# KiCad board rabbit_mask_capacitors.kicad_pcb (continued)
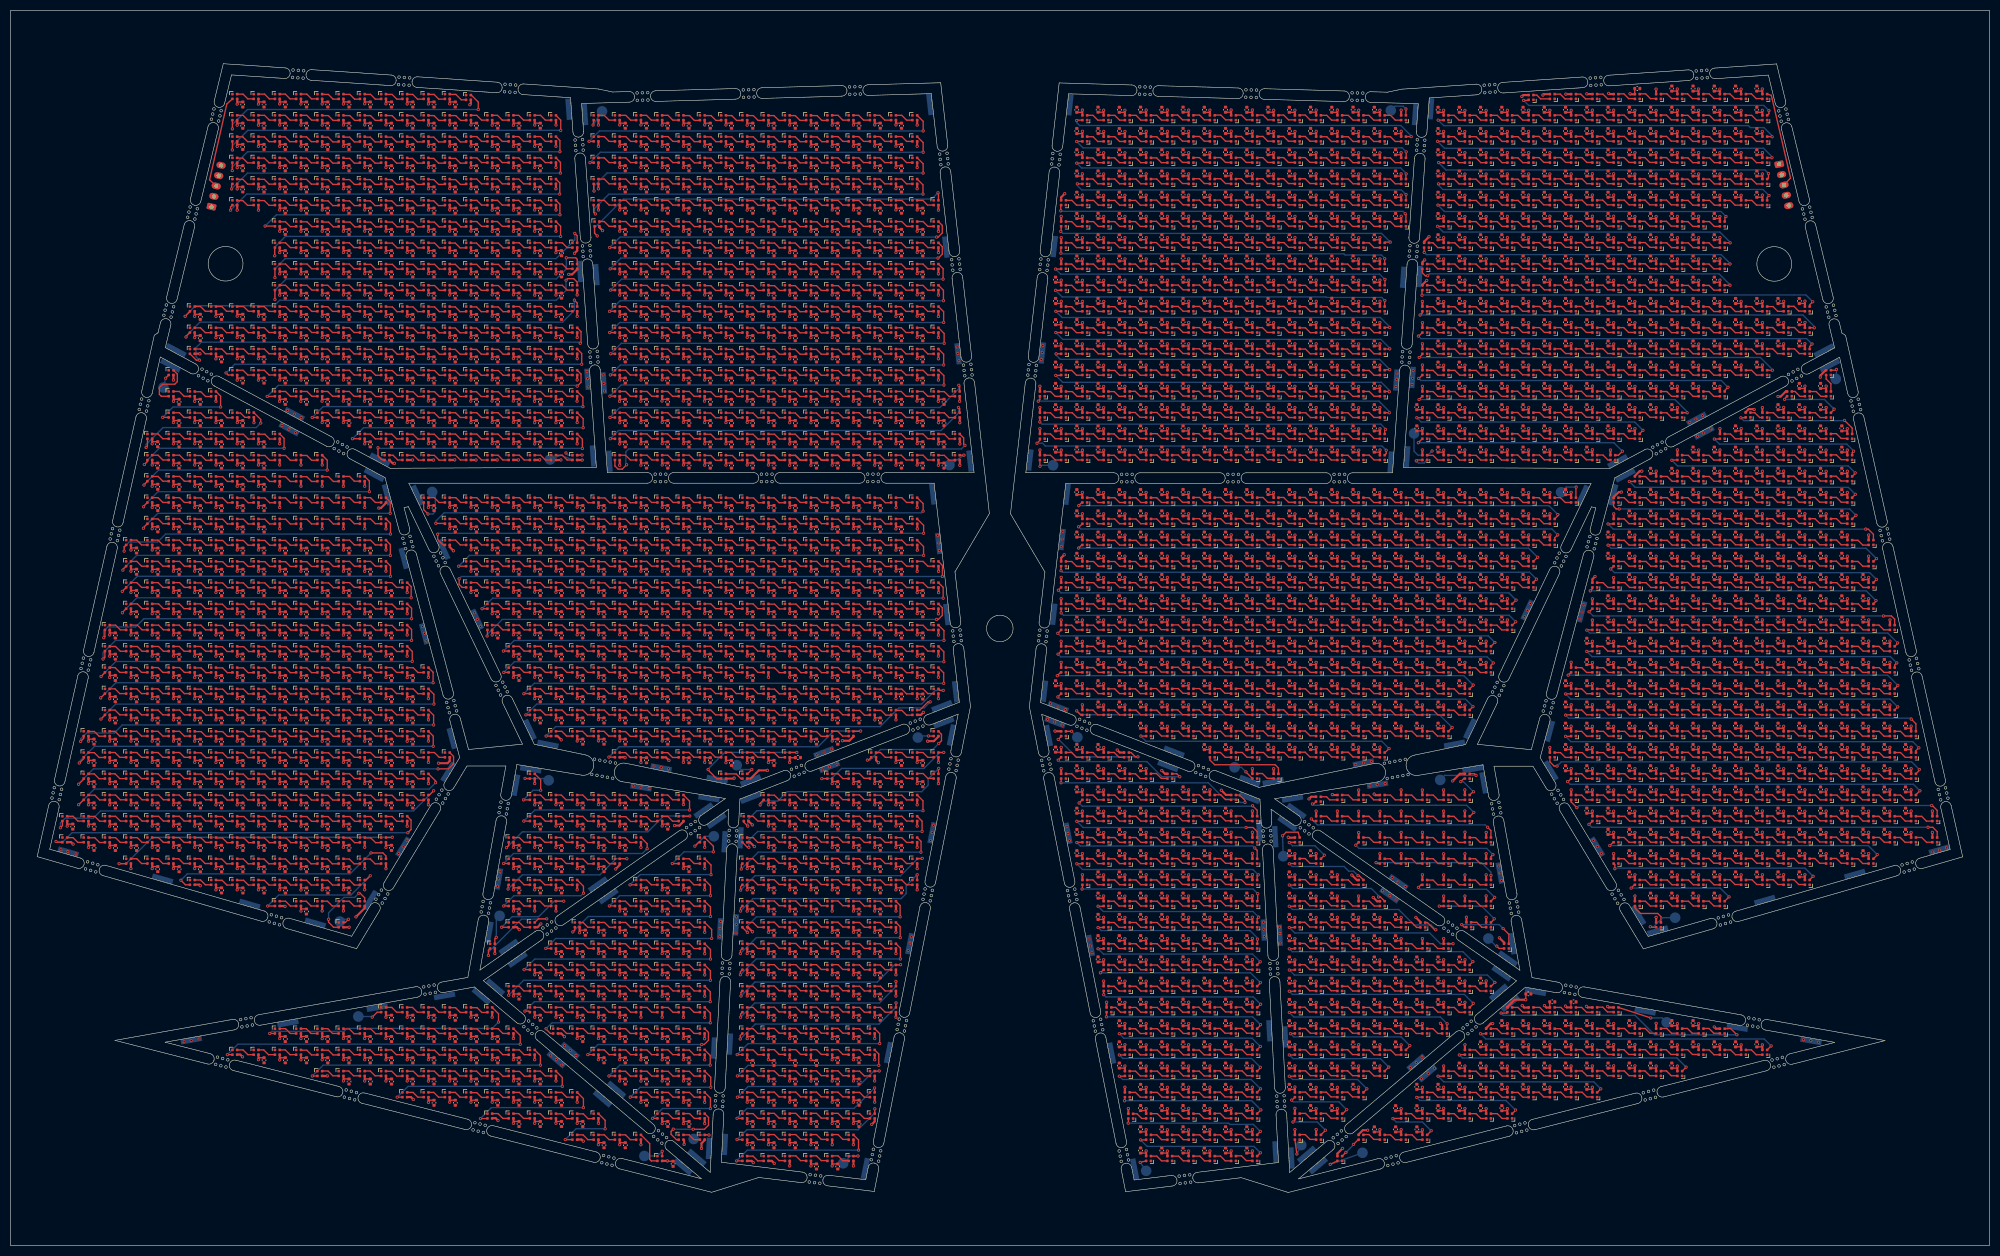
[diagram p0: board, top side]
## Routing (per net, layer and track width the routed paths; a pad name or vN(x,y) marks a point on that pad's centre or on a via; arc(x,y) is an arc through that point) (continued)
  Bottom w0.25: v1(84.42,125.54) 84.86,125.97 v1(175.4,125.97)
Net-(D737-DOUT): length 3.5
  Top w0.25: D737.3 23.75,124.81 24.65,123.91 D738.1
Net-(D738-DOUT): length 3.5
  Top w0.25: D739.1 28.65,123.91 27.75,124.81 D738.3
Net-(D739-DOUT): length 3.5
  Top w0.25: 33.8,123.91 32.7,123.91 31.8,124.81 30.7,124.81
Net-(D740-DOUT): length 3.5
  Top w0.25: 34.75,124.76 35.85,124.76 36.75,123.86 37.85,123.86
Net-(D741-DOUT): length 3.5
  Top w0.25: 41.9,123.86 40.8,123.86 39.9,124.76 38.8,124.76
Net-(D742-DOUT): length 3.5
  Top w0.25: 42.7,124.76 43.8,124.76 44.7,123.86 45.8,123.86
Net-(D743-DOUT): length 3.5
  Top w0.25: 49.85,123.86 48.75,123.86 47.85,124.76 46.75,124.76
Net-(D744-DOUT): length 3.5
  Top w0.25: 53.75,123.86 52.65,123.86 51.75,124.76 50.65,124.76
Net-(D745-DOUT): length 3.5
  Top w0.25: 54.65,124.76 55.75,124.76 56.65,123.86 57.75,123.86
Net-(D746-DOUT): length 3.5
  Top w0.25: 58.75,124.76 59.85,124.76 60.75,123.86 61.85,123.86
Net-(D747-DOUT): length 3.5
  Top w0.25: 62.7,124.81 63.8,124.81 64.7,123.91 65.8,123.91
Net-(D748-DOUT): length 3.5
  Top w0.25: D749.1 68.65,123.91 67.75,124.81 D748.3
Net-(D749-DOUT): length 3.5
  Top w0.25: D750.1 72.65,123.91 71.75,124.81 D749.3
Net-(D750-DOUT): length 59.8
  Top w0.25: D774.1 21.05,119.21 v1(21.05,119.14) ; D750.3 75.4,124.06 v1(75.4,121.96)
  Bottom w0.25: v1(21.05,119.14) 21.05,119.24 23.78,121.96 v1(75.4,121.96)
Net-(D751-DOUT): length 3.5
  Top w0.25: D751.3 87.75,124.81 88.65,123.91 D752.1
Net-(D752-DOUT): length 3.5
  Top w0.25: D752.3 91.75,124.81 92.65,123.91 D753.1
Net-(D753-DOUT): length 3.5
  Top w0.25: 94.7,124.81 95.8,124.81 96.7,123.91 97.8,123.91
Net-(D754-DOUT): length 3.5
  Top w0.25: 98.6,124.81 99.7,124.81 100.6,123.91 101.7,123.91
Net-(D755-DOUT): length 3.5
  Top w0.25: D756.1 104.65,123.91 103.75,124.81 D755.3
Net-(D756-DOUT): length 3.5
  Top w0.25: 106.7,124.76 107.8,124.76 108.7,123.86 109.8,123.86
Net-(D757-DOUT): length 3.5
  Top w0.25: 110.75,124.76 111.85,124.76 112.75,123.86 113.85,123.86
Net-(D758-DOUT): length 3.5
  Top w0.25: 117.75,123.86 116.65,123.86 115.75,124.76 114.65,124.76
Net-(D759-DOUT): length 3.5
  Top w0.25: D759.3 119.75,124.81 120.65,123.91 D760.1
Net-(D760-DOUT): length 3.5
  Top w0.25: 122.7,124.81 123.8,124.81 124.7,123.91 125.8,123.91
Net-(D761-DOUT): length 3.5
  Top w0.25: 126.6,124.81 127.7,124.81 128.6,123.91 129.7,123.91
Net-(D762-DOUT): length 3.5
  Top w0.25: D763.1 132.65,123.91 131.75,124.81 D762.3
Net-(D763-DOUT): length 3.5
  Top w0.25: 134.7,124.76 135.8,124.76 136.7,123.86 137.8,123.86
Net-(D764-DOUT): length 3.5
  Top w0.25: 138.75,124.76 139.85,124.76 140.75,123.86 141.85,123.86
Net-(D765-DOUT): length 3.5
  Top w0.25: 145.75,123.86 144.65,123.86 143.75,124.76 142.65,124.76
Net-(D766-DOUT): length 3.5
  Top w0.25: D767.1 148.65,123.91 147.75,124.81 D766.3
Net-(D767-DOUT): length 3.5
  Top w0.25: D767.3 151.75,124.81 152.65,123.91 D768.1
Net-(D768-DOUT): length 3.5
  Top w0.25: 154.7,124.76 155.8,124.76 156.7,123.86 157.8,123.86
Net-(D769-DOUT): length 3.5
  Top w0.25: 161.85,123.86 160.75,123.86 159.85,124.76 158.75,124.76
Net-(D770-DOUT): length 3.5
  Top w0.25: 162.65,124.76 163.75,124.76 164.65,123.86 165.75,123.86
Net-(D771-DOUT): length 3.5
  Top w0.25: 169.75,123.89 168.65,123.89 167.75,124.79 166.65,124.79
Net-(D772-DOUT): length 3.5
  Top w0.25: 170.65,124.79 171.75,124.79 172.65,123.89 173.75,123.89
Net-(D773-DOUT): length 91.9
  Top w0.25: v1(88.74,119.9) 89.74,119.9 D788.1 ; D773.3 175.54,123.92 v1(175.54,121.88)
  Bottom w0.25: v1(88.74,119.9) 90.72,121.88 v1(175.54,121.88)
Net-(D774-DOUT): length 3.5
  Top w0.25: 22.75,120.81 23.85,120.81 24.75,119.91 25.85,119.91
Net-(D775-DOUT): length 3.5
  Top w0.25: 26.75,120.81 27.85,120.81 28.75,119.91 29.85,119.91
Net-(D776-DOUT): length 3.5
  Top w0.25: D776.3 31.75,120.81 32.65,119.91 D777.1
Net-(D777-DOUT): length 3.5
  Top w0.25: 37.8,119.91 36.7,119.91 35.8,120.81 34.7,120.81
Net-(D778-DOUT): length 3.5
  Top w0.25: 41.85,119.86 40.75,119.86 39.85,120.76 38.75,120.76
Net-(D779-DOUT): length 3.5
  Top w0.25: 45.9,119.86 44.8,119.86 43.9,120.76 42.8,120.76
Net-(D780-DOUT): length 3.5
  Top w0.25: 46.7,120.76 47.8,120.76 48.7,119.86 49.8,119.86
Net-(D781-DOUT): length 3.5
  Top w0.25: 50.75,120.76 51.85,120.76 52.75,119.86 53.85,119.86
Net-(D782-DOUT): length 3.5
  Top w0.25: 57.75,119.86 56.65,119.86 55.75,120.76 54.65,120.76
Net-(D783-DOUT): length 3.5
  Top w0.25: 58.65,120.76 59.75,120.76 60.65,119.86 61.75,119.86
Net-(D784-DOUT): length 3.5
  Top w0.25: 65.85,119.86 64.75,119.86 63.85,120.76 62.75,120.76
Net-(D785-DOUT): length 3.5
  Top w0.25: 66.7,120.76 67.8,120.76 68.7,119.86 69.8,119.86
Net-(D786-DOUT): length 3.5
  Top w0.25: 73.8,119.86 72.7,119.86 71.8,120.76 70.7,120.76
Net-(D787-DOUT): length 64.9
  Top w0.25: D810.1 17.75,114.66 v1(17.53,114.44) ; D787.3 75.48,119.99 v1(75.48,118.01)
  Bottom w0.25: v1(75.48,118.01) 25.07,118.01 23.53,116.46 18.28,116.46 17.53,115.71 v1(17.53,114.44)
Net-(D788-DOUT): length 3.5
  Top w0.25: D788.3 91.75,120.81 92.65,119.91 D789.1
Net-(D789-DOUT): length 3.5
  Top w0.25: D790.1 96.65,119.91 95.75,120.81 D789.3
Net-(D790-DOUT): length 3.5
  Top w0.25: D791.1 100.65,119.91 99.75,120.81 D790.3
Net-(D791-DOUT): length 3.5
  Top w0.25: 105.8,119.91 104.7,119.91 103.8,120.81 102.7,120.81
Net-(D792-DOUT): length 3.5
  Top w0.25: 106.6,120.81 107.7,120.81 108.6,119.91 109.7,119.91
Net-(D793-DOUT): length 3.5
  Top w0.25: D794.1 112.65,119.91 111.75,120.81 D793.3
Net-(D794-DOUT): length 3.5
  Top w0.25: 117.8,119.86 116.7,119.86 115.8,120.76 114.7,120.76
Net-(D795-DOUT): length 3.5
  Top w0.25: 121.85,119.86 120.75,119.86 119.85,120.76 118.75,120.76
Net-(D796-DOUT): length 3.5
  Top w0.25: 125.75,119.86 124.65,119.86 123.75,120.76 122.65,120.76
Net-(D797-DOUT): length 3.5
  Top w0.25: D797.3 127.75,120.81 128.65,119.91 D798.1
Net-(D798-DOUT): length 3.5
  Top w0.25: 133.8,119.91 132.7,119.91 131.8,120.81 130.7,120.81
Net-(D799-DOUT): length 3.5
  Top w0.25: 134.6,120.81 135.7,120.81 136.6,119.91 137.7,119.91
Net-(D800-DOUT): length 3.5
  Top w0.25: D801.1 140.65,119.91 139.75,120.81 D800.3
Net-(D801-DOUT): length 3.5
  Top w0.25: 142.7,120.76 143.8,120.76 144.7,119.86 145.8,119.86
Net-(D802-DOUT): length 3.5
  Top w0.25: 149.85,119.86 148.75,119.86 147.85,120.76 146.75,120.76
Net-(D803-DOUT): length 3.5
  Top w0.25: 150.65,120.76 151.75,120.76 152.65,119.86 153.75,119.86
Net-(D804-DOUT): length 3.5
  Top w0.25: D805.1 156.65,119.91 155.75,120.81 D804.3
Net-(D805-DOUT): length 3.5
  Top w0.25: 158.7,120.76 159.8,120.76 160.7,119.86 161.8,119.86
Net-(D806-DOUT): length 3.5
  Top w0.25: 162.75,120.76 163.85,120.76 164.75,119.86 165.85,119.86
Net-(D807-DOUT): length 3.5
  Top w0.25: 169.75,119.86 168.65,119.86 167.75,120.76 166.65,120.76
Net-(D808-DOUT): length 3.5
  Top w0.25: D808.3 171.75,120.81 172.65,119.91 D809.1
Net-(D809-DOUT): length 91.1
  Top w0.25: v1(89.7,114.76) 89.75,114.81 D825.1 ; v1(174.3,117.88) 174.62,117.88 175.38,118.64 175.38,120.09 D809.3
  Bottom w0.25: v1(89.7,114.76) 89.7,115.04 92.54,117.88 v1(174.3,117.88)
Net-(D810-DOUT): length 3.5
  Top w0.25: D810.3 19.75,116.81 20.65,115.91 D811.1
Net-(D811-DOUT): length 3.5
  Top w0.25: 25.85,115.91 24.75,115.91 23.85,116.81 22.75,116.81
Net-(D812-DOUT): length 3.5
  Top w0.25: 29.85,115.91 28.75,115.91 27.85,116.81 26.75,116.81
Net-(D813-DOUT): length 3.5
  Top w0.25: D813.3 31.75,116.81 32.65,115.91 D814.1
Net-(D814-DOUT): length 3.5
  Top w0.25: 37.8,115.91 36.7,115.91 35.8,116.81 34.7,116.81
Net-(D815-DOUT): length 3.5
  Top w0.25: 38.75,116.76 39.85,116.76 40.75,115.86 41.85,115.86
Net-(D816-DOUT): length 3.5
  Top w0.25: 45.9,115.86 44.8,115.86 43.9,116.76 42.8,116.76
Net-(D817-DOUT): length 3.5
  Top w0.25: 46.7,116.76 47.8,116.76 48.7,115.86 49.8,115.86
Net-(D818-DOUT): length 3.5
  Top w0.25: 53.85,115.86 52.75,115.86 51.85,116.76 50.75,116.76
Net-(D819-DOUT): length 3.5
  Top w0.25: 57.75,115.86 56.65,115.86 55.75,116.76 54.65,116.76
Net-(D820-DOUT): length 3.5
  Top w0.25: 58.65,116.76 59.75,116.76 60.65,115.86 61.75,115.86
Net-(D821-DOUT): length 3.5
  Top w0.25: 65.85,115.86 64.75,115.86 63.85,116.76 62.75,116.76
Net-(D822-DOUT): length 3.5
  Top w0.25: 69.8,115.86 68.7,115.86 67.8,116.76 66.7,116.76
Net-(D823-DOUT): length 3.5
  Top w0.25: 70.7,116.76 71.8,116.76 72.7,115.86 73.8,115.86
Net-(D824-DOUT): length 65
  Top w0.25: v1(75.48,113.94) 75.48,115.99 D824.3 ; v1(17.4,110.44) 17.75,110.79 D847.1
  Bottom w0.25: v1(17.4,110.44) 17.4,111.59 19.75,113.94 v1(75.48,113.94)
Net-(D825-DOUT): length 3.5
  Top w0.25: D826.1 92.65,115.91 91.75,116.81 D825.3
Net-(D826-DOUT): length 3.5
  Top w0.25: D827.1 96.65,115.91 95.75,116.81 D826.3
Net-(D827-DOUT): length 3.5
  Top w0.25: D827.3 99.75,116.81 100.65,115.91 D828.1
Net-(D828-DOUT): length 3.5
  Top w0.25: 105.8,115.91 104.7,115.91 103.8,116.81 102.7,116.81
Net-(D829-DOUT): length 3.5
  Top w0.25: 109.7,115.91 108.6,115.91 107.7,116.81 106.6,116.81
Net-(D830-DOUT): length 3.5
  Top w0.25: D830.3 111.75,116.81 112.65,115.91 D831.1
Net-(D831-DOUT): length 3.5
  Top w0.25: 114.7,116.76 115.8,116.76 116.7,115.86 117.8,115.86
Net-(D832-DOUT): length 3.5
  Top w0.25: 118.75,116.76 119.85,116.76 120.75,115.86 121.85,115.86
Net-(D833-DOUT): length 3.5
  Top w0.25: 122.65,116.76 123.75,116.76 124.65,115.86 125.75,115.86
Net-(D834-DOUT): length 3.5
  Top w0.25: D835.1 128.65,115.91 127.75,116.81 D834.3
Net-(D835-DOUT): length 3.5
  Top w0.25: 130.7,116.81 131.8,116.81 132.7,115.91 133.8,115.91
Net-(D836-DOUT): length 3.5
  Top w0.25: 134.6,116.81 135.7,116.81 136.6,115.91 137.7,115.91
Net-(D837-DOUT): length 3.5
  Top w0.25: D838.1 140.65,115.91 139.75,116.81 D837.3
Net-(D838-DOUT): length 3.5
  Top w0.25: 145.8,115.86 144.7,115.86 143.8,116.76 142.7,116.76
Net-(D839-DOUT): length 3.5
  Top w0.25: 149.85,115.86 148.75,115.86 147.85,116.76 146.75,116.76
Net-(D840-DOUT): length 3.5
  Top w0.25: 150.65,116.76 151.75,116.76 152.65,115.86 153.75,115.86
Net-(D841-DOUT): length 3.5
  Top w0.25: D842.1 156.65,115.91 155.75,116.81 D841.3
Net-(D842-DOUT): length 3.5
  Top w0.25: 158.7,116.76 159.8,116.76 160.7,115.86 161.8,115.86
Net-(D843-DOUT): length 3.5
  Top w0.25: 165.85,115.86 164.75,115.86 163.85,116.76 162.75,116.76
Net-(D844-DOUT): length 3.5
  Top w0.25: 169.75,115.86 168.65,115.86 167.75,116.76 166.65,116.76
Net-(D845-DOUT): length 3.5
  Top w0.25: 173.75,115.89 172.65,115.89 171.75,116.79 170.65,116.79
Net-(D846-DOUT): length 88.1
  Top w0.25: v1(175.69,113.92) 175.69,115.77 D846.3 ; v1(92.77,111.92) 93.74,111.92 D862.1
  Bottom w0.25: v1(92.77,111.92) 94.77,113.92 v1(175.69,113.92)
Net-(D847-DOUT): length 3.5
  Top w0.25: 18.65,112.79 19.75,112.79 20.65,111.89 21.75,111.89
Net-(D848-DOUT): length 3.5
  Top w0.25: 22.75,112.79 23.85,112.79 24.75,111.89 25.85,111.89
Net-(D849-DOUT): length 3.5
  Top w0.25: 26.75,112.79 27.85,112.79 28.75,111.89 29.85,111.89
Net-(D850-DOUT): length 3.5
  Top w0.25: 33.75,111.89 32.65,111.89 31.75,112.79 30.65,112.79
Net-(D851-DOUT): length 3.5
  Top w0.25: 34.7,112.79 35.8,112.79 36.7,111.89 37.8,111.89
Net-(D852-DOUT): length 3.5
  Top w0.25: 38.75,112.74 39.85,112.74 40.75,111.84 41.85,111.84
Net-(D853-DOUT): length 3.5
  Top w0.25: 45.9,111.84 44.8,111.84 43.9,112.74 42.8,112.74
Net-(D854-DOUT): length 3.5
  Top w0.25: 49.8,111.84 48.7,111.84 47.8,112.74 46.7,112.74
Net-(D855-DOUT): length 3.5
  Top w0.25: 53.85,111.84 52.75,111.84 51.85,112.74 50.75,112.74
Net-(D856-DOUT): length 3.5
  Top w0.25: 57.75,111.84 56.65,111.84 55.75,112.74 54.65,112.74
Net-(D857-DOUT): length 3.5
  Top w0.25: 58.65,112.74 59.75,112.74 60.65,111.84 61.75,111.84
Net-(D858-DOUT): length 3.5
  Top w0.25: 62.75,112.74 63.85,112.74 64.75,111.84 65.85,111.84
Net-(D859-DOUT): length 3.5
  Top w0.25: 66.7,112.74 67.8,112.74 68.7,111.84 69.8,111.84
Net-(D860-DOUT): length 3.5
  Top w0.25: 70.7,112.74 71.8,112.74 72.7,111.84 73.8,111.84
Net-(D861-DOUT): length 64.1
  Top w0.25: D883.1 17.75,107.86 v1(17.03,107.14) ; D861.3 75.6,111.86 v1(75.6,109.96)
  Bottom w0.25: v1(17.03,107.14) 17.03,107.19 19.8,109.96 v1(75.6,109.96)
Net-(D862-DOUT): length 3.5
  Top w0.25: D862.3 95.75,112.81 96.65,111.91 D863.1
Net-(D863-DOUT): length 3.5
  Top w0.25: D863.3 99.75,112.81 100.65,111.91 D864.1
Net-(D864-DOUT): length 3.5
  Top w0.25: 102.7,112.81 103.8,112.81 104.7,111.91 105.8,111.91
Net-(D865-DOUT): length 3.5
  Top w0.25: 106.6,112.81 107.7,112.81 108.6,111.91 109.7,111.91
Net-(D866-DOUT): length 3.5
  Top w0.25: D866.3 111.75,112.81 112.65,111.91 D867.1
Net-(D867-DOUT): length 3.5
  Top w0.25: 114.7,112.76 115.8,112.76 116.7,111.86 117.8,111.86
Net-(D868-DOUT): length 3.5
  Top w0.25: 121.85,111.86 120.75,111.86 119.85,112.76 118.75,112.76
Net-(D869-DOUT): length 3.5
  Top w0.25: 125.75,111.86 124.65,111.86 123.75,112.76 122.65,112.76
Net-(D870-DOUT): length 3.5
  Top w0.25: D871.1 128.65,111.91 127.75,112.81 D870.3
Net-(D871-DOUT): length 3.5
  Top w0.25: 130.7,112.81 131.8,112.81 132.7,111.91 133.8,111.91
Net-(D872-DOUT): length 3.5
  Top w0.25: 134.6,112.81 135.7,112.81 136.6,111.91 137.7,111.91
Net-(D873-DOUT): length 3.5
  Top w0.25: D873.3 139.75,112.81 140.65,111.91 D874.1
Net-(D874-DOUT): length 3.5
  Top w0.25: 142.7,112.76 143.8,112.76 144.7,111.86 145.8,111.86
Net-(D875-DOUT): length 3.5
  Top w0.25: 149.85,111.86 148.75,111.86 147.85,112.76 146.75,112.76
Net-(D876-DOUT): length 3.5
  Top w0.25: 150.65,112.76 151.75,112.76 152.65,111.86 153.75,111.86
Net-(D877-DOUT): length 3.5
  Top w0.25: D878.1 156.65,111.91 155.75,112.81 D877.3
Net-(D878-DOUT): length 3.5
  Top w0.25: 158.7,112.76 159.8,112.76 160.7,111.86 161.8,111.86
Net-(D879-DOUT): length 3.5
  Top w0.25: 165.85,111.86 164.75,111.86 163.85,112.76 162.75,112.76
Net-(D880-DOUT): length 3.5
  Top w0.25: 169.75,111.86 168.65,111.86 167.75,112.76 166.65,112.76
Net-(D881-DOUT): length 3.5
  Top w0.25: D881.3 171.75,112.81 172.65,111.91 D882.1
Net-(D882-DOUT): length 87.9
  Top w0.25: v1(175.67,109.91) 175.67,111.79 D882.3 ; v1(92.82,107.91) D899.1
  Bottom w0.25: v1(92.82,107.91) 94.82,109.91 v1(175.67,109.91)
Net-(D883-DOUT): length 3.5
  Top w0.25: 21.65,107.91 20.55,107.91 19.65,108.81 18.55,108.81
Net-(D884-DOUT): length 3.5
  Top w0.25: D885.1 24.65,107.91 23.75,108.81 D884.3
Net-(D885-DOUT): length 3.5
  Top w0.25: D886.1 28.65,107.91 27.75,108.81 D885.3
Net-(D886-DOUT): length 3.5
  Top w0.25: 33.8,107.91 32.7,107.91 31.8,108.81 30.7,108.81
Net-(D887-DOUT): length 3.5
  Top w0.25: 34.75,108.76 35.85,108.76 36.75,107.86 37.85,107.86
Net-(D888-DOUT): length 3.5
  Top w0.25: 41.9,107.86 40.8,107.86 39.9,108.76 38.8,108.76
Net-(D889-DOUT): length 3.5
  Top w0.25: 42.7,108.76 43.8,108.76 44.7,107.86 45.8,107.86
Net-(D890-DOUT): length 3.5
  Top w0.25: 46.75,108.76 47.85,108.76 48.75,107.86 49.85,107.86
Net-(D891-DOUT): length 3.5
  Top w0.25: 50.65,108.76 51.75,108.76 52.65,107.86 53.75,107.86
Net-(D892-DOUT): length 3.5
  Top w0.25: 57.75,107.86 56.65,107.86 55.75,108.76 54.65,108.76
Net-(D893-DOUT): length 3.5
  Top w0.25: 58.75,108.76 59.85,108.76 60.75,107.86 61.85,107.86
Net-(D894-DOUT): length 3.5
  Top w0.25: 62.7,108.81 63.8,108.81 64.7,107.91 65.8,107.91
Net-(D895-DOUT): length 3.5
  Top w0.25: D896.1 68.65,107.91 67.75,108.81 D895.3
Net-(D896-DOUT): length 3.5
  Top w0.25: D896.3 71.75,108.81 72.65,107.91 D897.1
Net-(D897-DOUT): length 3.5
  Top w0.25: 77.78,107.89 76.67,107.89 75.78,108.79 74.67,108.79
Net-(D898-DOUT): length 68.1
  Top w0.25: v1(16.95,103.11) D920.1 ; v1(79.53,105.96) 79.53,107.94 D898.3
  Bottom w0.25: v1(79.53,105.96) 19.8,105.96 v1(16.95,103.11)
Net-(D899-DOUT): length 3.5
  Top w0.25: D900.1 96.65,107.91 95.75,108.81 D899.3
Net-(D900-DOUT): length 3.5
  Top w0.25: D900.3 99.75,108.81 100.65,107.91 D901.1
Net-(D901-DOUT): length 3.5
  Top w0.25: 102.7,108.81 103.8,108.81 104.7,107.91 105.8,107.91
Net-(D902-DOUT): length 3.5
  Top w0.25: 109.7,107.91 108.6,107.91 107.7,108.81 106.6,108.81
Net-(D903-DOUT): length 3.5
  Top w0.25: D904.1 112.65,107.91 111.75,108.81 D903.3
Net-(D904-DOUT): length 3.5
  Top w0.25: 117.8,107.86 116.7,107.86 115.8,108.76 114.7,108.76
Net-(D905-DOUT): length 3.5
  Top w0.25: 121.85,107.86 120.75,107.86 119.85,108.76 118.75,108.76
Net-(D906-DOUT): length 3.5
  Top w0.25: 125.75,107.86 124.65,107.86 123.75,108.76 122.65,108.76
Net-(D907-DOUT): length 3.5
  Top w0.25: D907.3 127.75,108.81 128.65,107.91 D908.1
Net-(D908-DOUT): length 3.5
  Top w0.25: 133.8,107.91 132.7,107.91 131.8,108.81 130.7,108.81
Net-(D909-DOUT): length 3.5
  Top w0.25: 134.6,108.81 135.7,108.81 136.6,107.91 137.7,107.91
Net-(D910-DOUT): length 3.5
  Top w0.25: D911.1 140.65,107.91 139.75,108.81 D910.3
Net-(D911-DOUT): length 3.5
  Top w0.25: 142.7,108.76 143.8,108.76 144.7,107.86 145.8,107.86
Net-(D912-DOUT): length 3.5
  Top w0.25: 146.75,108.76 147.85,108.76 148.75,107.86 149.85,107.86
Net-(D913-DOUT): length 3.5
  Top w0.25: 153.75,107.86 152.65,107.86 151.75,108.76 150.65,108.76
Net-(D914-DOUT): length 3.5
  Top w0.25: D915.1 156.65,107.91 155.75,108.81 D914.3
Net-(D915-DOUT): length 3.5
  Top w0.25: 158.7,108.76 159.8,108.76 160.7,107.86 161.8,107.86
Net-(D916-DOUT): length 3.5
  Top w0.25: 165.85,107.86 164.75,107.86 163.85,108.76 162.75,108.76
Net-(D917-DOUT): length 3.5
  Top w0.25: 166.65,108.76 167.75,108.76 168.65,107.86 169.75,107.86
Net-(D918-DOUT): length 3.5
  Top w0.25: D918.3 171.75,108.81 172.65,107.91 D919.1
Net-(D919-DOUT): length 84.4
  Top w0.25: v1(175.64,105.85) 175.64,107.82 D919.3 ; D936.1 96.62,103.91 v1(96.61,103.9)
  Bottom w0.25: v1(175.64,105.85) 162.73,105.85 162.72,105.86 98.57,105.86 v1(96.61,103.9)
Net-(D920-DOUT): length 3.5
  Top w0.25: 21.65,103.91 20.55,103.91 19.65,104.81 18.55,104.81
Net-(D921-DOUT): length 3.5
  Top w0.25: D922.1 24.65,103.91 23.75,104.81 D921.3
Net-(D922-DOUT): length 3.5
  Top w0.25: D923.1 28.65,103.91 27.75,104.81 D922.3
Net-(D923-DOUT): length 3.5
  Top w0.25: 33.8,103.91 32.7,103.91 31.8,104.81 30.7,104.81
Net-(D924-DOUT): length 3.5
  Top w0.25: 37.85,103.86 36.75,103.86 35.85,104.76 34.75,104.76
Net-(D925-DOUT): length 3.5
  Top w0.25: 38.8,104.76 39.9,104.76 40.8,103.86 41.9,103.86
Net-(D926-DOUT): length 3.5
  Top w0.25: 42.7,104.76 43.8,104.76 44.7,103.86 45.8,103.86
Net-(D927-DOUT): length 3.5
  Top w0.25: 49.85,103.86 48.75,103.86 47.85,104.76 46.75,104.76
Net-(D928-DOUT): length 3.5
  Top w0.25: 53.75,103.86 52.65,103.86 51.75,104.76 50.65,104.76
Net-(D929-DOUT): length 3.5
  Top w0.25: 57.75,103.86 56.65,103.86 55.75,104.76 54.65,104.76
Net-(D930-DOUT): length 3.5
  Top w0.25: 61.85,103.86 60.75,103.86 59.85,104.76 58.75,104.76
Net-(D931-DOUT): length 3.5
  Top w0.25: 65.8,103.91 64.7,103.91 63.8,104.81 62.7,104.81
Net-(D932-DOUT): length 3.5
  Top w0.25: D933.1 68.65,103.91 67.75,104.81 D932.3
Net-(D933-DOUT): length 3.5
  Top w0.25: D934.1 72.65,103.91 71.75,104.81 D933.3
Net-(D934-DOUT): length 3.5
  Top w0.25: 77.78,103.89 76.67,103.89 75.78,104.79 74.67,104.79
Net-(D935-DOUT): length 68.3
  Top w0.25: D935.3 79.67,103.79 v1(79.67,101.94) ; D956.1 17.75,99.86 v1(17,99.11)
  Bottom w0.25: v1(17,99.11) 17,99.16 19.78,101.94 v1(79.67,101.94)
Net-(D936-DOUT): length 3.5
  Top w0.25: D936.3 99.75,104.81 100.65,103.91 D937.1
Net-(D937-DOUT): length 3.5
  Top w0.25: 105.8,103.91 104.7,103.91 103.8,104.81 102.7,104.81
Net-(D938-DOUT): length 3.5
  Top w0.25: 106.6,104.81 107.7,104.81 108.6,103.91 109.7,103.91
Net-(D939-DOUT): length 3.5
  Top w0.25: D939.3 111.75,104.81 112.65,103.91 D940.1
Net-(D940-DOUT): length 3.5
  Top w0.25: 114.7,104.76 115.8,104.76 116.7,103.86 117.8,103.86
Net-(D941-DOUT): length 3.5
  Top w0.25: 118.75,104.76 119.85,104.76 120.75,103.86 121.85,103.86
Net-(D942-DOUT): length 3.5
  Top w0.25: 122.65,104.76 123.75,104.76 124.65,103.86 125.75,103.86
Net-(D943-DOUT): length 3.5
  Top w0.25: D943.3 127.75,104.81 128.65,103.91 D944.1
Net-(D944-DOUT): length 3.5
  Top w0.25: 133.8,103.91 132.7,103.91 131.8,104.81 130.7,104.81
Net-(D945-DOUT): length 3.5
  Top w0.25: 137.7,103.91 136.6,103.91 135.7,104.81 134.6,104.81
Net-(D946-DOUT): length 3.5
  Top w0.25: D946.3 139.75,104.81 140.65,103.91 D947.1
Net-(D947-DOUT): length 3.5
  Top w0.25: 145.8,103.86 144.7,103.86 143.8,104.76 142.7,104.76
Net-(D948-DOUT): length 3.5
  Top w0.25: 149.85,103.86 148.75,103.86 147.85,104.76 146.75,104.76
Net-(D949-DOUT): length 3.5
  Top w0.25: 150.65,104.76 151.75,104.76 152.65,103.86 153.75,103.86
Net-(D950-DOUT): length 3.5
  Top w0.25: D951.1 156.65,103.91 155.75,104.81 D950.3
Net-(D951-DOUT): length 3.5
  Top w0.25: 161.8,103.86 160.7,103.86 159.8,104.76 158.7,104.76
Net-(D952-DOUT): length 3.5
  Top w0.25: 162.75,104.76 163.85,104.76 164.75,103.86 165.85,103.86
Net-(D953-DOUT): length 3.5
  Top w0.25: 169.75,103.86 168.65,103.86 167.75,104.76 166.65,104.76
Net-(D954-DOUT): length 3.5
  Top w0.25: D955.1 172.65,103.91 171.75,104.81 D954.3
Net-(D955-DOUT): length 82.2
  Top w0.25: v1(96.99,99.91) D972.1 ; D955.3 174.95,104.51 v1(175.55,104.51)
  Bottom w0.25: v1(175.55,104.51) 174.05,104.51 171.48,101.94 99.02,101.94 v1(96.99,99.91)
Net-(D956-DOUT): length 3.5
  Top w0.25: 18.55,100.81 19.65,100.81 20.55,99.91 21.65,99.91
Net-(D957-DOUT): length 3.5
  Top w0.25: D957.3 23.75,100.81 24.65,99.91 D958.1
Net-(D958-DOUT): length 3.5
  Top w0.25: D959.1 28.65,99.91 27.75,100.81 D958.3
Net-(D959-DOUT): length 3.5
  Top w0.25: 30.7,100.81 31.8,100.81 32.7,99.91 33.8,99.91
Net-(D960-DOUT): length 3.5
  Top w0.25: 34.75,100.76 35.85,100.76 36.75,99.86 37.85,99.86
Net-(D961-DOUT): length 3.5
  Top w0.25: 41.9,99.86 40.8,99.86 39.9,100.76 38.8,100.76
Net-(D962-DOUT): length 3.5
  Top w0.25: 45.8,99.86 44.7,99.86 43.8,100.76 42.7,100.76
Net-(D963-DOUT): length 3.5
  Top w0.25: 49.85,99.86 48.75,99.86 47.85,100.76 46.75,100.76
Net-(D964-DOUT): length 3.5
  Top w0.25: 50.65,100.76 51.75,100.76 52.65,99.86 53.75,99.86
Net-(D965-DOUT): length 3.5
  Top w0.25: 54.65,100.76 55.75,100.76 56.65,99.86 57.75,99.86
Net-(D966-DOUT): length 3.5
  Top w0.25: 58.75,100.76 59.85,100.76 60.75,99.86 61.85,99.86
Net-(D967-DOUT): length 3.5
  Top w0.25: 65.8,99.91 64.7,99.91 63.8,100.81 62.7,100.81
Net-(D968-DOUT): length 3.5
  Top w0.25: D968.3 67.75,100.81 68.65,99.91 D969.1
Net-(D969-DOUT): length 3.5
  Top w0.25: D969.3 71.75,100.81 72.65,99.91 D970.1
Net-(D970-DOUT): length 3.5
  Top w0.25: 77.78,99.89 76.67,99.89 75.78,100.79 74.67,100.79
Net-(D971-DOUT): length 72.4
  Top w0.25: v1(79.62,98.01) 79.62,99.84 D971.3 ; D991.1 13.75,95.49 v1(13.18,94.91)
  Bottom w0.25: v1(79.62,98.01) 21.03,98.01 19.5,96.49 14.3,96.49 13.18,95.36 v1(13.18,94.91)
Net-(D972-DOUT): length 3.5
  Top w0.25: D973.1 100.65,99.91 99.75,100.81 D972.3
Net-(D973-DOUT): length 3.5
  Top w0.25: 102.7,100.81 103.8,100.81 104.7,99.91 105.8,99.91
Net-(D974-DOUT): length 3.5
  Top w0.25: 106.6,100.81 107.7,100.81 108.6,99.91 109.7,99.91
Net-(D975-DOUT): length 3.5
  Top w0.25: D976.1 112.65,99.91 111.75,100.81 D975.3
Net-(D976-DOUT): length 3.5
  Top w0.25: 117.8,99.86 116.7,99.86 115.8,100.76 114.7,100.76
Net-(D977-DOUT): length 3.5
  Top w0.25: 118.75,100.76 119.85,100.76 120.75,99.86 121.85,99.86
Net-(D978-DOUT): length 3.5
  Top w0.25: 122.65,100.76 123.75,100.76 124.65,99.86 125.75,99.86
Net-(D979-DOUT): length 3.5
  Top w0.25: D979.3 127.75,100.81 128.65,99.91 D980.1
Net-(D980-DOUT): length 3.5
  Top w0.25: 130.7,100.81 131.8,100.81 132.7,99.91 133.8,99.91
Net-(D981-DOUT): length 3.5
  Top w0.25: 137.7,99.91 136.6,99.91 135.7,100.81 134.6,100.81
Net-(D982-DOUT): length 3.5
  Top w0.25: D983.1 140.65,99.91 139.75,100.81 D982.3
Net-(D983-DOUT): length 3.5
  Top w0.25: 145.8,99.86 144.7,99.86 143.8,100.76 142.7,100.76
Net-(D984-DOUT): length 3.5
  Top w0.25: 146.75,100.76 147.85,100.76 148.75,99.86 149.85,99.86
Net-(D985-DOUT): length 3.5
  Top w0.25: 153.75,99.86 152.65,99.86 151.75,100.76 150.65,100.76
Net-(D986-DOUT): length 3.5
  Top w0.25: D987.1 156.65,99.91 155.75,100.81 D986.3
Net-(D987-DOUT): length 3.5
  Top w0.25: 158.7,100.76 159.8,100.76 160.7,99.86 161.8,99.86
Net-(D988-DOUT): length 3.5
  Top w0.25: 162.75,100.76 163.85,100.76 164.75,99.86 165.85,99.86
Net-(D989-DOUT): length 3.5
  Top w0.25: 169.75,99.86 168.65,99.86 167.75,100.76 166.65,100.76
Net-(D991-DOUT): length 3.5
  Top w0.25: 17.75,95.89 16.65,95.89 15.75,96.79 14.65,96.79
Net-(D992-DOUT): length 3.5
  Top w0.25: 21.65,95.91 20.55,95.91 19.65,96.81 18.55,96.81
Net-(D993-DOUT): length 3.5
  Top w0.25: D994.1 24.65,95.91 23.75,96.81 D993.3
Net-(D994-DOUT): length 3.5
  Top w0.25: D995.1 28.65,95.91 27.75,96.81 D994.3
Net-(D995-DOUT): length 3.5
  Top w0.25: 33.8,95.91 32.7,95.91 31.8,96.81 30.7,96.81
Net-(D996-DOUT): length 3.5
  Top w0.25: 37.85,95.86 36.75,95.86 35.85,96.76 34.75,96.76
Net-(D997-DOUT): length 3.5
  Top w0.25: 38.8,96.76 39.9,96.76 40.8,95.86 41.9,95.86
Net-(D998-DOUT): length 3.5
  Top w0.25: 45.8,95.86 44.7,95.86 43.8,96.76 42.7,96.76
Net-(D1000-DIN): length 3.5
  Top w0.25: 49.85,95.86 48.75,95.86 47.85,96.76 46.75,96.76
